# Altium PCB LPCB235R0.PcbDoc (part 6 of 7) (continued)
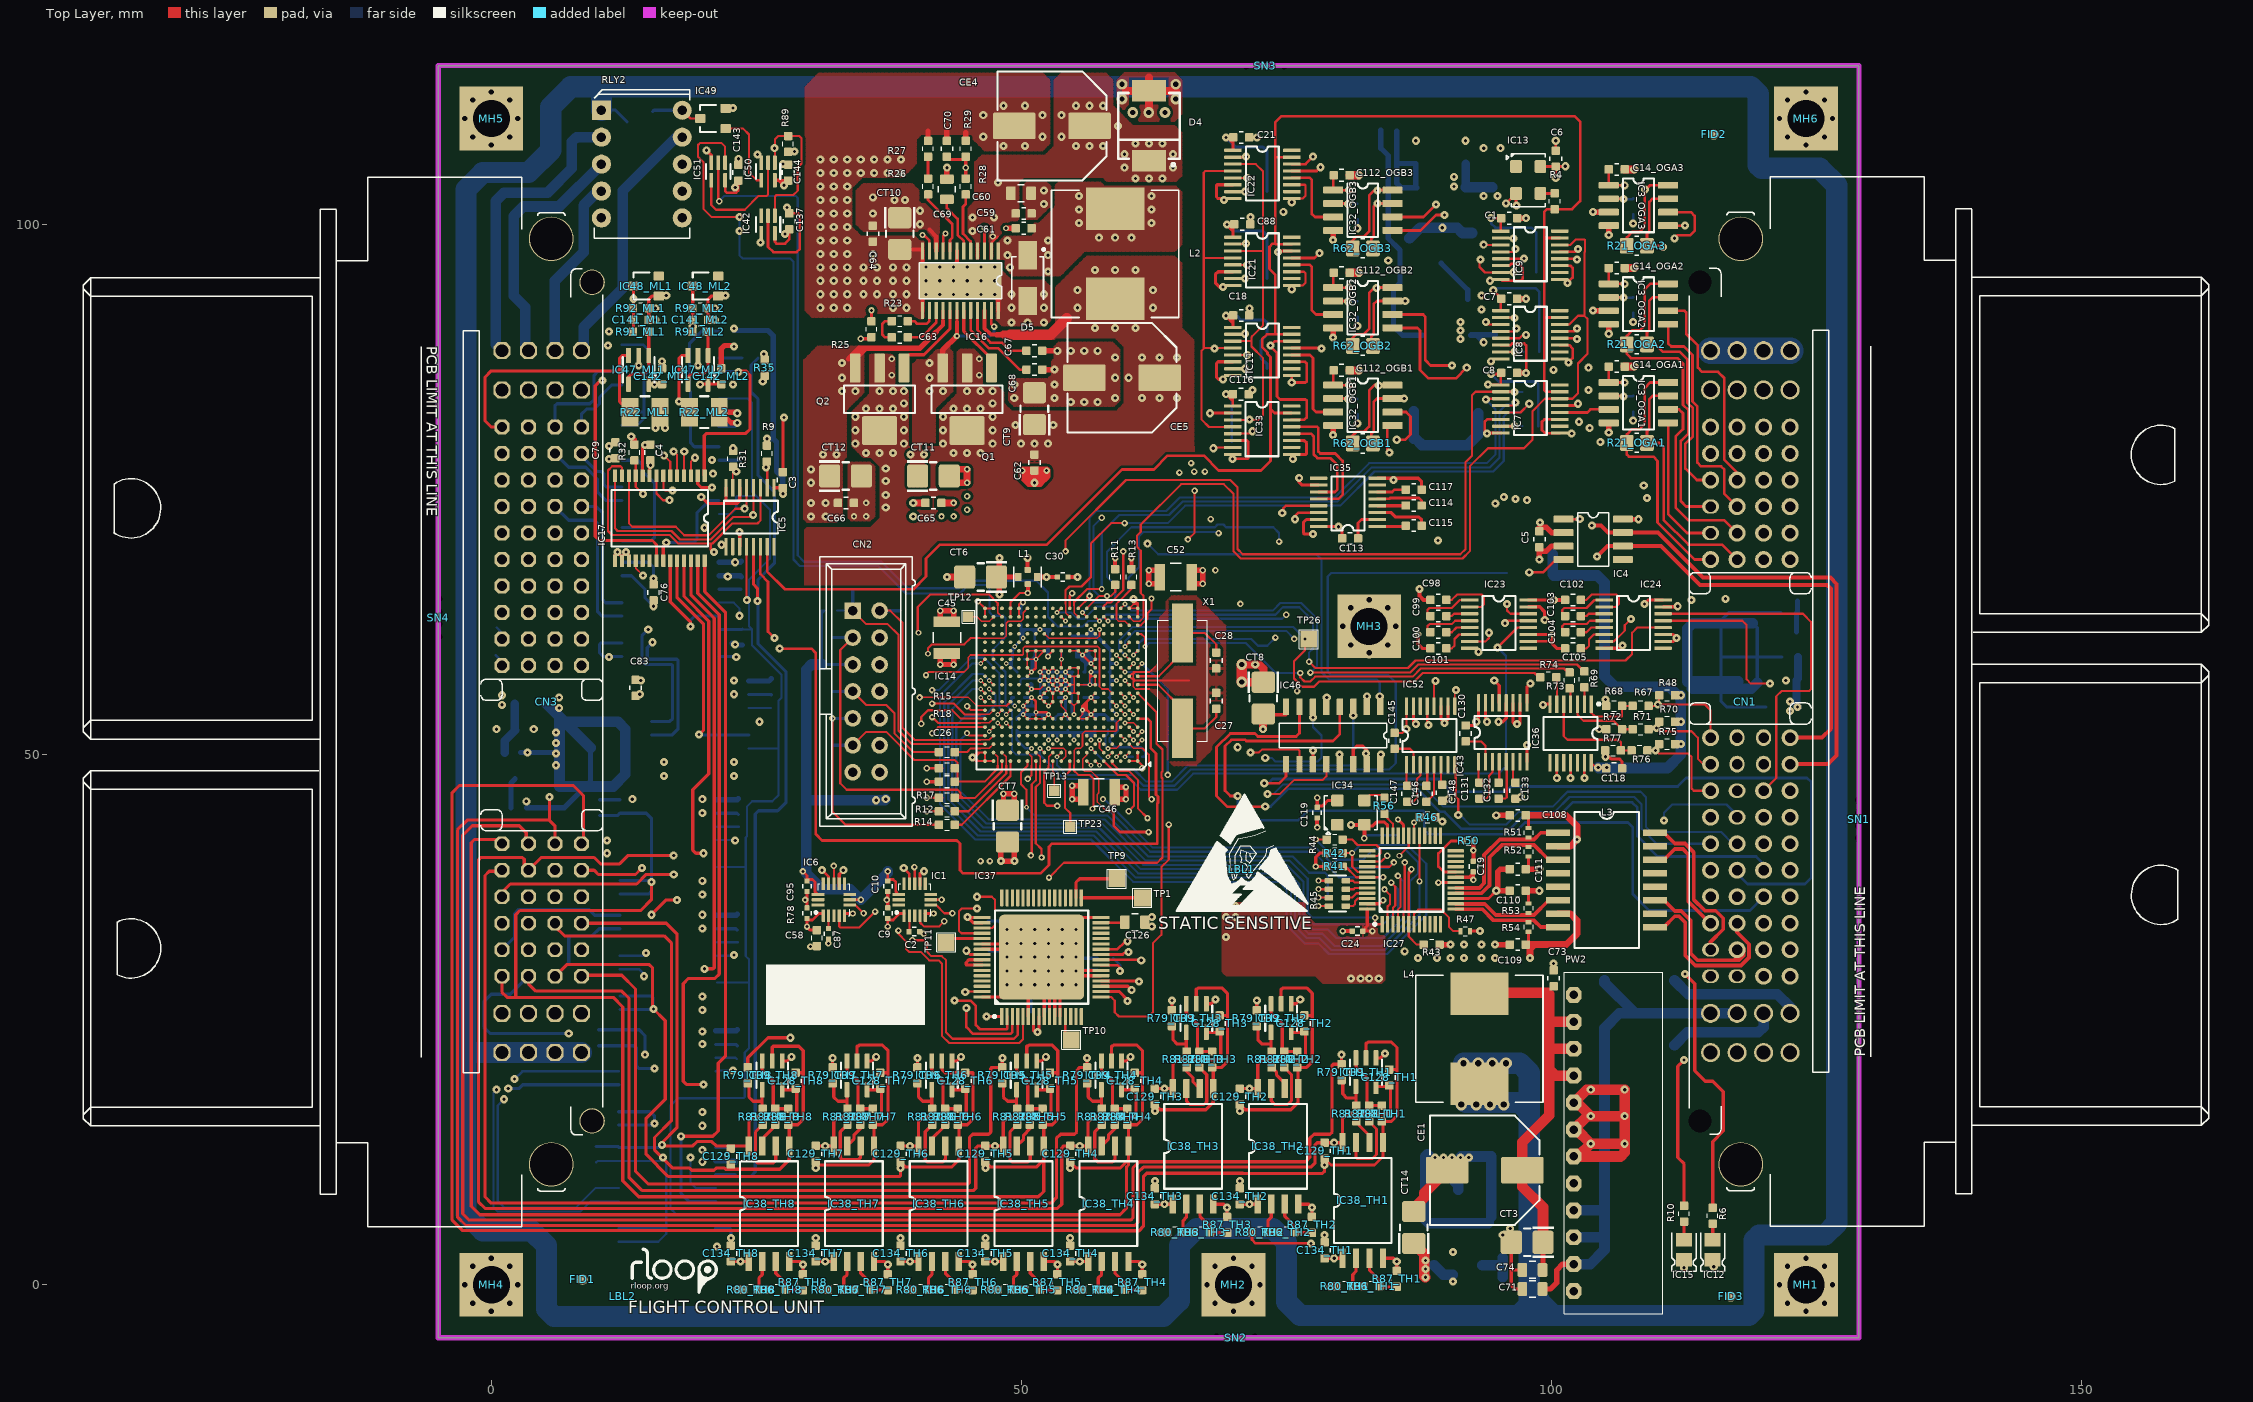
[diagram p0: Top Layer view]
## Nets (pads, with @x,y where several pads share a name; then routed paths per layer and width w, separated by ;. In a path a pad name is that pad's centre, name@x,y a point inside that pad or via, vN(x,y) a via of type N, cw(c..) or ccw(c..) an arc to the next point about the centre after c; other vN are vias at no path point) (continued)
  Bottom Layer w0.305: TP6.1@32.175,61.04 CN2.3@34.08,61.04
RM48_TDO: CN2.7 R15.2 TP7.1 | length 13.5
  Top Layer w0.203: CN2.7@34.08,55.96 35.35,54.69 37.255,54.69 38.017,53.928 38.017,52.023 39.795,50.245 R15.2@42.22,50.245
  Bottom Layer w0.305: TP7.1@32.175,55.96 CN2.7@34.08,55.96
RM48_TMS: CN2.1 IC14.C19 R16.1 TP8.1 | length 26.3
  Top Layer w0.203: CN2.1@34.08,63.58 35.35,62.31 37.382,62.31 38.398,61.294 38.398,52.277 39.68,50.995 45.637,50.995 IC14.C19@46.565,50.995
  Bottom Layer w0.203: R16.1@32.625,63.58 CN2.1@34.08,63.58
  Bottom Layer w0.305: CN2.1@34.08,63.58 TP8.1@34.08,65.485
RXD_N: IC27.13 L3.8 R54.1 | length 10.3
  Top Layer w0.356: IC27.13@90.979,35.411 93.483,35.411 94.525,34.37 98.342,34.37 98.977,33.735 L3.8@100.625,33.735
RXD_P: IC27.14 L3.6 R53.2 | length 10.7
  Top Layer w0.356: IC27.14@90.971,35.919 93.694,35.919 94.735,34.878 98.342,34.878 99.739,36.275 L3.6@100.625,36.275
SER_LASER_CLK: IC5.15 IC7.15 IC8.15 IC9.15 IC11.15 IC21.15 IC22.15 IC33.15 R4.2 | length 160.2
  Top Layer w0.25: IC5.15@26.025,69.625 26.025,67.275 27.7,65.6 39.8,65.6 41,66.8 41,68.5 42.3,69.8 52.4,69.8 59.5,76.9 62.5,76.9 63.8,78.2 67.2,78.2 68.6,76.8 72.6,76.8 73.5,77.7 73.5,82.6 ; IC33.15@75.475,82.225 73.875,82.225 73.5,82.6 ; IC11.15@75.5,89.65 73.95,89.65 ; IC21.15@75.5,98.15 74,98.15 73.95,98.2 ; IC22.15@75.5,106.35 74,106.35 73.95,106.4 ; IC7.15@100.775,84.225 99.475,84.225 99.3,84.4 99.3,91.3 ; IC8.15@100.775,91.225 99.375,91.225 99.3,91.3 ; IC9.15@100.775,98.725 99.325,98.725 99.3,98.7 ; 73.5,82.6 73.5,87.5 73.217,87.783 73.217,87.916 72.7,88.433 72.7,89.2 73.15,89.65 73.95,89.65 ; 73.95,89.65 73.95,95.25 73.4,95.8 73.4,97.9 73.7,98.2 73.95,98.2 ; 73.95,98.2 73.95,106.4 ; 73.95,106.4 73.95,109.65 74.5,110.2 102.2,110.2 102.7,109.7 102.7,102.2 101.95,101.45 R4.2@100.3,101.45 99.55,101.45 99.3,101.2 99.3,98.7 ; 99.3,91.3 99.3,98.7
SERA_MISO: IC7.4 IC8.4 IC9.4 IC14.V8 | length 77.8
  Top Layer w0.152: 54.965,64.088 54.965,63.395 IC14.V8@55.365,62.995
  Top Layer w0.203: 54.965,64.088 54.965,64.399 56.178,65.612 v6(57.575,65.612) ; IC7.4@95.225,82.925 96.325,82.925 v1(96.6,83.2) ; IC8.4@95.225,89.925 96.425,89.925 v1(96.7,90.2) ; IC9.4@95.225,97.425 96.325,97.425 v1(96.6,97.7)
  MidLayer2 w0.203: v1(96.6,83.2) 97.5,84.1 97.5,84.6 96.8,85.3 96.8,86.7 97.2,87.1 97.2,88.6 96.6,89.2 96.6,90.366 97.16,90.926 97.16,91.834 96.8,92.194 96.8,94.6 97.2,95 97.2,95.9 96.6,96.5 v1(96.6,97.7)
  Bottom Layer w0.203: v6(57.575,65.612) 57.575,70.946 59.226,72.597 63.925,72.597 65.195,73.867 79.8,73.867 83.033,77.1 94.2,77.1 95.1,78 95.1,82.4 95.7,83 v1@96.8,83
SERA_MOSI: IC7.3 IC8.3 IC9.3 IC14.W8 | length 78
  Top Layer w0.203: IC14.W8@55.365,63.795 56.432,64.862 v2(56.432,64.977) 56.178,64.977 56.178,64.61 ; v1(93.6,98.1) 93.625,98.075 IC9.3@95.225,98.075 ; v1(93.8,83.5) 93.875,83.575 IC7.3@95.225,83.575 ; v1(93.8,90.8) 94.025,90.575 IC8.3@95.225,90.575
  MidLayer2 w0.203: v1(93.6,98.1) 94.3,97.4 94.3,96 92.7,94.4 92.7,90.8 ; v1(93.8,83.5) 93.2,83.5 92.7,84 92.7,90.8 ; v1(93.8,90.8) 92.7,90.8
  Bottom Layer w0.203: v2(56.432,64.977) 56.432,72.343 57.067,72.978 63.671,72.978 64.941,74.248 79.546,74.248 82.798,77.5 93.9,77.5 94.7,78.3 94.7,82.6 v1(93.8,83.5)
SERA_NCS_0: IC7.2 IC14.V10 R1.1 | length 74.4
  Top Layer w0.152: IC14.V10@53.765,62.995 v3(54.165,62.595)
  Top Layer w0.203: v2@54.146,69.168 54.146,70.184 59.862,75.9 69.7,75.9 70.381,75.219 70.381,69.4 70.881,68.9 91.4,68.9 91.9,69.4 91.9,77.6 92.5,78.2 92.5,83.9 92.825,84.225 IC7.2@95.225,84.225 96.475,84.225 v1(96.5,84.2)
  MidLayer1 w0.203: v3(54.165,62.595) v2(54.165,69.168)
  Bottom Layer w0.203: v1(96.5,84.2) R1.1@97.25,84.2
SERA_NCS_1: IC8.2 IC14.W9 R7.1 | length 71.1
  Top Layer w0.203: IC14.W9@54.565,63.795 54.565,64.85 ; IC8.2@95.225,91.225 96.475,91.225 v1(96.5,91.2) ; 54.565,64.85 54.781,65.066 v2(54.781,65.231) 54.565,65.015 54.565,64.85
  MidLayer1 w0.203: v2(54.781,65.231) 56.422,63.59 62.665,63.59 63.1,64.025 63.1,70.375 67.608,74.883 88.017,74.883 88.3,74.6 95.2,74.6 v1(95.5,74.3)
  MidLayer2 w0.203: v1(95.5,74.3) 95.5,91 95.7,91.2 v1(96.5,91.2)
SERA_NCS_2: IC9.2 IC14.T12 R19.1 | length 78.9
  Top Layer w0.152: IC14.T12@52.165,61.395 52.565,60.995 57.165,60.995 57.365,61.195 v3(57.365,61.795)
  MidLayer1 w0.203: v3(57.365,61.795) 61.505,61.795 63.5,63.79 63.5,70.14 67.862,74.502 87.798,74.502 88.1,74.2 94.2,74.2 v1@94.8,73.6
  MidLayer2 w0.203: v1@94.8,73.7 94.8,75 95,75.2 95,92.8 95.4,93.2 95.4,98.4 95.6,98.6 96.3,98.6 v1(96.4,98.7)
  other v1: 94.7,73.7
SERA_NIRQ_0: IC7.7 IC14.C1 R2.1 | length 71.9
  Top Layer w0.152: IC14.C1@60.965,50.995 v3(61.365,51.395)
  Top Layer w0.203: IC7.7@95.225,80.975 96.475,80.975 v1(96.5,81)
  MidLayer1 w0.203: v3(61.365,51.395) 60.765,50.795 58.847,50.795 58.442,51.2 58.442,52.558 58,53 57.992,53 57.992,59.425 59.467,60.9 62.4,60.9 64.687,63.187 64.687,67.5 64.7,67.5 66.749,69.549 66.749,72.709 66.8,72.76 66.8,72.805 68.116,74.121 87.479,74.121 87.8,73.8 93.4,73.8 94.2,73 95.6,73 v1@96.7,74.1
  MidLayer2 w0.203: v1(96.5,81) 95.9,80.4 95.9,75.5 96.6,74.8 v1(96.6,74.1)
  Bottom Layer w0.203: v1(96.5,81) R2.1@97.25,81
SERA_NIRQ_1: IC8.7 IC14.E1 R8.1 | length 78.6
  Top Layer w0.152: v3(59.765,52.995) 60.565,52.995 IC14.E1@60.965,52.595
  Top Layer w0.203: IC8.7@95.225,87.975 96.475,87.975 v1(96.5,88)
  MidLayer1 w0.203: v3(59.765,52.995) 58.965,52.995 58.392,53.568 58.392,54.772 65.068,61.448 65.068,67.268 67.13,69.33 67.13,72.5 68.361,73.731 87.169,73.731 87.5,73.4 93.2,73.4 94,72.6 96.3,72.6 v1(97.7,74) ; v1(96.5,88) 99.6,88 100.2,87.4 v1(100.2,86.3)
  MidLayer2 w0.203: v1(97.7,74) 97.7,80.6 99.1,82 99.1,86 99.4,86.3 v1(100.2,86.3)
  Bottom Layer w0.203: v1(96.5,88) R8.1@97.35,88
SERA_NIRQ_2: IC9.7 IC14.A6 R20.1 | length 85.2
  Top Layer w0.152: IC14.A6@56.965,49.395 v3(57.365,48.995)
  Top Layer w0.203: v2(65.7,70.3) 66.338,70.938 v2(66.338,74.883) ; v1@93.2,96.7 93.2,96 93.725,95.475 IC9.7@95.225,95.475 95.25,95.5 v1(96.4,95.5)
  MidLayer1 w0.203: v3(57.365,48.995) 57.365,50.565 58,51.2 58,52.2 57.5,52.7 57.5,59.8 59.1,61.4 62.1,61.4 64.3,63.6 64.3,68.2 65.7,69.6 v2(65.7,70.3) ; v2(66.338,74.883) 66.719,75.264 82.764,75.264 83.1,75.6 83.1,83.5 82.9,83.7 82.9,93.4 82.8,93.5 82.8,96.1 83.3,96.6 v1(84.6,96.6)
  MidLayer2 w0.203: v1@84.7,96.5 85.1,96.1 87.4,96.1 88,96.7 v1(93.3,96.7)
SERA_NRST: IC7.14 IC8.14 IC9.14 IC14.V2 | length 92.8
  Top Layer w0.152: IC14.V2@60.165,62.995 60.565,62.595 61.162,62.595 61.512,62.945 61.512,63.199
  Top Layer w0.203: 61.258,71.1 61.258,71 ; 61.512,63.199 61.512,64.977 61.258,65.231 61.258,69.242 60.9,69.6 60.9,70.642 61.258,71 ; IC8.14@100.775,90.575 101.675,90.575 102.5,91.4 103.1,91.4 ; IC9.14@100.775,98.075 101.775,98.075 102.3,98.6 103.1,98.6 103.16,98.54 103.16,97.426 103.1,97.366 103.1,91.4 ; 61.258,71 61.258,71.708 65.068,75.518 69.082,75.518 70,74.6 70,69.2 70.7,68.5 91.6,68.5 92.3,69.2 92.3,77.2 94,78.9 97.4,78.9 98.2,79.7 98.2,82.4 99.375,83.575 IC7.14@100.775,83.575 101.975,83.575 102.5,84.1 102.5,86.9 103.4,87.8 103.4,91.1 103.1,91.4
SERA_SCK: IC7.5 IC8.5 IC9.5 IC14.V9 | length 80.5
  Top Layer w0.152: 54.165,64.215 54.165,63.395 IC14.V9@54.565,62.995
  Top Layer w0.203: 54.165,64.215 54.165,65.504 54.527,65.866 55.67,65.866 56.559,66.755 56.559,69.93 58.464,71.835 v2(59.734,71.835) ; IC7.5@95.225,82.275 97.075,82.275 v1(97.9,83.1) ; IC8.5@95.225,89.275 96.975,89.275 97.3,89.6 v1(97.6,89.6) ; IC9.5@95.225,96.775 97.375,96.775 v1(97.4,96.8)
  MidLayer2 w0.203: v1@97.4,96.7 97.9,96.2 97.9,95.8 98.5,95.2 98.5,91.5 97.8,90.8 97.8,88.9 98.4,88.3 98.4,84.7 97.9,84.2 v1(97.9,83.1)
  Bottom Layer w0.203: v2(59.734,71.835) 63.798,71.835 65.449,73.486 80.086,73.486 83.3,76.7 94.5,76.7 95.5,77.7 95.5,81.9 95.9,82.3 97.1,82.3 v1(97.9,83.1)
SERB_MISO: IC11.4 IC14.D2 IC21.4 IC22.4 IC33.4 TP38.1 | length 88.8
  Top Layer w0.152: IC14.D2@60.165,51.795 v3(60.565,51.395)
  Top Layer w0.203: 67.2,88.3 67.2,96.9 ; IC33.4@69.9,80.9 67.7,80.9 67,81.6 67,88.1 67.25,88.35 IC11.4@69.95,88.35 ; IC21.4@69.95,96.85 67.25,96.85 67.2,96.9 ; IC22.4@69.95,105.05 67.35,105.05 67.2,104.9 67.2,96.9
  MidLayer2 w0.203: v3(60.565,51.395) 61.08,50.88 64.78,50.88 65.6,51.7 65.6,54.1 67,55.5 72.1,55.5 73,56.4 73,61.4 73.7,62.1 73.7,87 72.34,88.36 68.26,88.36 v1(68.2,88.3)
SERB_MOSI: IC11.3 IC14.D1 IC21.3 IC22.3 IC33.3 TP37.1 | length 73.5
  Top Layer w0.152: IC14.D1@60.965,51.795 v3(61.365,52.195)
  Top Layer w0.203: IC33.3@69.925,81.575 72.375,81.575 72.8,82 ; IC11.3@69.95,89 71.7,89 ; IC21.3@69.95,97.5 72.8,97.5 ; IC22.3@69.95,105.7 72.1,105.7 72.8,105 72.8,97.5 ; 72.8,84 72.8,82 ; 71.7,89 71.7,89.366 71.76,89.426 71.76,89.46 72.8,90.5 72.8,97.5 ; 71.7,89 71.7,88.5 72.8,87.4 72.8,82
  MidLayer2 w0.2: v3(61.365,52.195) 61.365,52.265 62.5,53.4 63.5,53.4 73.3,63.2 73.3,75.6 72.7,76.2 72.7,81.4 72.5,81.6 v1(71.5,81.6)
SERB_NCS_0: IC11.2 IC14.E16 R40.1 | length 64.9
  Top Layer w0.152: v3(48.565,52.995) IC14.E16@48.965,52.595
  MidLayer1 w0.203: v2(67.3,76.7) 67.3,80.1 67,80.4 67,89.1 67.6,89.7 v1(71.1,89.7)
  MidLayer2 w0.203: v3(48.565,52.995) 47.974,52.404 47.542,52.404 45.51,54.436 45.51,57.103 47.923,59.516 51.733,59.516 51.911,59.338 51.911,58.983 52.19,58.703 52.825,58.703 53.257,59.135 53.257,59.77 56.94,63.453 66.846,63.453 69.64,66.247 69.64,74.46 67.4,76.7 v2(67.3,76.7)
SERB_NCS_1: IC14.E17 IC21.2 R58.1 | length 73.3
  Top Layer w0.152: v3(47.765,52.995) IC14.E17@48.165,52.595
  Top Layer w0.203: IC21.2@69.95,98.15 71.15,98.15 v1(71.2,98.2)
  MidLayer1 w0.203: v2(66,77.5) 66.3,77.8 66.3,79.3 66.1,79.5 66.1,97.4 66.9,98.2 v1(71.2,98.2)
  MidLayer2 w0.203: v3(47.765,52.995) 47.161,53.599 47.161,54.061 48.715,55.615 50.015,55.615 50.3,55.9 50.3,58.1 50.522,58.322 ; 51.6,58.322 50.522,58.322 ; v2(66,77.5) 67.5,77.5 70.2,74.8 70.2,66.172 66.338,62.31 59.099,62.31 56.94,60.151 56.94,59.77 55.492,58.322 50.522,58.322
SERB_NCS_2: IC14.U1 IC22.2 R60.1 | length 59.7
  Top Layer w0.203: IC14.U1@60.965,62.195 61.27,62.195 61.893,62.818 61.893,63.326 62.274,63.707 v6(62.274,64.723) ; IC22.2@69.95,106.35 71.15,106.35 v1(71.2,106.4)
  MidLayer1 w0.203: v6(62.274,64.723) 62.7,65.149 62.7,72.388 65.957,75.645 73.045,75.645 73.9,76.5 73.9,86.1 74.2,86.4 74.2,96.1 75.1,97 75.1,97.8 74.1,98.8 74.1,100.9 74.4,101.2 v1(74.7,101.2)
  MidLayer2 w0.203: v1@71.1,106.3 74.2,106.3 74.6,105.9 74.6,101.3 v1(74.7,101.2)
SERB_NCS_3: IC14.G17 IC33.2 R64.1 | length 51.4
  Top Layer w0.152: v3(47.765,53.795) IC14.G17@48.165,54.195
  Top Layer w0.254: v1(67.8,82.2) 67.825,82.225 IC33.2@69.925,82.225
  MidLayer2 w0.203: v3(47.765,53.795) 49.204,55.234 50.3,55.234 50.717,54.817 51.987,54.817 52.495,55.325 53.257,55.325 53.765,54.817 54.4,54.817 54.781,55.198 54.781,56.468 55.543,57.23 56.94,57.23 57.448,57.738 57.448,60.024 59.353,61.929 66.592,61.929 70.7,66.037 70.7,75 67.2,78.5 67.2,81.6 v1(67.8,82.2)
SERB_NIRQ_0: IC11.7 IC14.K2 R55.1 | length 39.7
  Top Layer w0.152: v3(59.765,56.995) IC14.K2@60.165,56.595
  MidLayer2 w0.203: v3@59.765,57.077 v3(59.765,56.995) 65.395,56.995 72.2,63.8 72.2,75.1 70.7,76.6 70.7,78.9 70.2,79.4 70.2,85.5 v1(71.1,86.4)
SERB_NIRQ_1: IC14.W10 IC21.7 R59.1 | length 51.5
  Top Layer w0.152: v3(53.365,63.395) IC14.W10@53.765,63.795
  MidLayer1 w0.203: v2@66.45,76.65 66.45,76.95 66.884,77.384 66.884,79.816 66.5,80.2 66.5,94.2 67.2,94.9 v1(71.1,94.9)
  MidLayer2 w0.203: v2@66.4,76.7 67.2,75.9 67.2,75.7 68.6,74.3 v2(68.6,70.9)
  Bottom Layer w0.203: v3(53.365,63.395) 54.712,63.395 55.289,62.818 55.924,62.818 57.067,63.961 58.718,63.961 60.115,65.358 60.115,66.715 61.1,67.7 61.1,70.6 61.5,71 68.5,71 v2(68.6,70.9)
  other v2: 66.3,76.7
SERB_NIRQ_2: IC14.J2 IC22.7 R61.1 | length 58.2
  Top Layer w0.152: IC14.J2@60.165,55.795 v3(60.565,55.395)
  MidLayer1 w0.203: v3(60.565,55.395) 65.449,60.279 65.449,67.049 67.862,69.462 v2(67.862,72.216) ; v2(64.9,76.6) 64.9,77.5 65.7,78.3 65.7,102.4 66.4,103.1 v1(71.1,103.1)
  MidLayer2 w0.254: v2(64.9,76.6) 65.5,76.6 67.862,74.238 v2(67.862,72.216)
SERB_NIRQ_3: IC14.M2 IC33.7 R65.1 | length 32
  Top Layer w0.152: IC14.M2@60.165,58.195 v3(60.565,58.595) ; v1(68.1,78.9) 68.175,78.975 IC33.7@69.925,78.975
  MidLayer2 w0.2: v3(60.565,58.595) 61.17,59.2 66.8,59.2 71.4,63.8 71.4,75 68.1,78.3 v1(68.1,78.9) v1@68.1,79
SERB_NRST: IC11.14 IC14.W5 IC21.14 IC22.14 IC33.14 | length 74.7
  Top Layer w0.203: IC14.W5@57.765,63.795 57.765,64.024 58.083,64.342 58.412,64.342 59.607,65.537 v2(59.607,69.168)
  Top Layer w0.25: v1(74.2,97.4) 74.3,97.5 IC21.14@75.5,97.5 ; IC33.14@75.475,81.575 76.675,81.575 76.9,81.8 76.9,83.4 76.8,83.5 74.4,83.5 74.1,83.8 74.1,87.9 73.5,88.5 v1(73.5,88.6) 73.9,89 IC11.14@75.5,89 ; IC22.14@75.5,105.7 76.8,105.7 v1(77.5,106.4)
  MidLayer1 w0.203: v2(59.607,69.168) 59.607,70.057 65.576,76.026 72.826,76.026 73.5,76.7 v1(73.5,88.6) 73.5,89.5 73.5,97.4 73.5,98.2 73.5,105.5 74.4,106.4 v1(77.5,106.4)
  MidLayer1 w0.25: 73.5,97.4 v1(74.2,97.4)
SERB_SCK: IC11.5 IC14.E2 IC21.5 IC22.5 IC33.5 TP36.1 | length 68.9
  Top Layer w0.152: IC14.E2@60.165,52.595 v3(60.565,52.195)
  Top Layer w0.203: IC33.5@69.925,80.275 71.575,80.275 v1(71.8,80.5) ; IC11.5@69.95,87.7 v1(71.3,87.7) ; IC21.5@69.95,96.2 v1(71.3,96.2) ; IC22.5@69.95,104.4 v1(71.3,104.4)
  MidLayer1 w0.203: v1(71.3,87.7) 72.6,87.7 ; v1(71.3,96.2) 72.5,96.2 72.6,96.1 ; v1(71.3,104.4) 72.2,104.4 72.6,104 72.6,96.1 ; v1(71.8,80.5) 72.6,81.3 72.6,87.7 ; 72.6,87.7 72.6,96.1
  MidLayer2 w0.203: v3(60.565,52.195) 62.27,53.9 63.2,53.9 72.8,63.5 72.8,75.4 71.8,76.4 v1(71.8,80.5)
TXD_N: IC27.16 L3.3 R52.1 | length 13.7
  Top Layer w0.356: IC27.16@90.96,36.922 93.408,36.922 93.85,37.364 94.151,37.665 94.151,40.314 95.319,41.482 98.342,41.482 99.739,40.085 L3.3@100.625,40.085
TXD_P: IC27.17 L3.1 R51.2 | length 13.4
  Top Layer w0.356: IC27.17@90.96,37.43 93.198,37.43 93.643,37.875 93.643,40.524 95.119,42 98.352,42 98.977,42.625 L3.1@100.625,42.625
WDT_GOOD: IC42.1 IC46.1 IC50.1 R89.1 TP47.1 | length 123.2
  Top Layer w0.203: IC42.1@26.75,100.825 26.75,102.65 26.9,102.8 28.5,102.8 28.9,103.2 28.9,105.4 29.26,105.76 29.26,108.14 29.05,108.35 R89.1@28,108.35 27.05,108.35 26.75,108.05 IC50.1@26.75,105.825
  MidLayer2 w0.203: v1(26.7,107.2) 26.7,106.4 26.4,106.1 26.4,102.8 26.7,102.5 28.8,102.5 29.3,102 29.3,72.1 32.319,69.081 44.719,69.081 46.4,67.4 48.7,67.4 49,67.7 49,69.3 49.6,69.9 v1(61.9,69.9)
  Bottom Layer w0.203: v1(61.9,69.9) 62.9,68.9 77.8,68.9 78.3,68.4 78.3,57.8 79,57.1 83.5,57.1 83.8,56.8 v1(83.8,55.5)
pads on no net: CN1.B CN2.6 CN2.13 CN2.14 CN3.1C_B CN3.1D_B CN3.1E_B CN3.2A_B CN3.2B_B CN3.2C_B CN3.2D_B CN3.2E_B CN3.3C_B CN3.3D_B CN3.3E_B CN3.3F_B CN3.3L_B CN3.4L_B CN3.B D10.2 FID1.0 FID2.0 FID3.0 IC1.3 IC1.8 IC1.9 IC1.13 IC1.15 IC1.16 IC4.5 IC5.10 IC5.16 IC6.3 IC6.8 IC6.9 IC6.13 IC6.15 IC6.16 IC7.10 IC7.16 IC8.10 IC8.16 IC9.10 IC9.16 IC11.10 IC11.16 IC13.1 IC14.A3 IC14.A8 IC14.A12 IC14.A15 IC14.B8 IC14.B9 IC14.B15 IC14.B16 IC14.C7 IC14.C8 IC14.C9 IC14.C10 IC14.C11 IC14.C12 IC14.C13 IC14.C14 IC14.C15 IC14.C16 IC14.C17 IC14.D6 IC14.D7 IC14.D8 IC14.D9 IC14.D10 IC14.D11 IC14.D12 IC14.D13 IC14.D14 IC14.D15 IC14.D17 IC14.E3 IC14.E4 IC14.E5 IC14.E6 IC14.E7 IC14.E8 IC14.E9 IC14.E10 IC14.E11 IC14.E12 IC14.E13 IC14.E14 IC14.E15 IC14.F2 IC14.F4 IC14.F5 IC14.F15 IC14.F16 IC14.F17 IC14.G1 IC14.G4 IC14.G5 IC14.G15 IC14.H1 IC14.H2 IC14.H5 IC14.H15 IC14.H17 IC14.J5 IC14.J15 IC14.J16 IC14.J17 IC14.K3 IC14.K4 IC14.K5 IC14.K15 IC14.K16 IC14.L3 IC14.L4 IC14.L5 IC14.L15 IC14.L16 IC14.L17 IC14.L18 IC14.L19 IC14.M4 IC14.M5 IC14.M15 IC14.M16 IC14.M17 IC14.M18 IC14.M19 IC14.N1 IC14.N4 IC14.N5 IC14.N15 IC14.N16 IC14.N18 IC14.P2 IC14.P3 IC14.P4 IC14.P5 IC14.P15 IC14.P16 IC14.P17 IC14.P18 IC14.P19 IC14.R1 IC14.R3 IC14.R4 IC14.R5 IC14.R6 IC14.R7 IC14.R8 IC14.R9 IC14.R10 IC14.R11 IC14.R12 IC14.R13 IC14.R14 IC14.R15 IC14.R16 IC14.R17 IC14.R18 IC14.R19 IC14.T2 IC14.T3 IC14.T4 IC14.T5 IC14.T6 IC14.T7 IC14.T8 IC14.T9 IC14.T10 IC14.T11 IC14.T13 IC14.T14 IC14.T15 IC14.T16 IC14.T17 IC14.T18 IC14.T19 IC14.U3 IC14.U4 IC14.U5 IC14.U6 IC14.U7 IC14.U8 IC14.U9 IC14.U10 IC14.U11 IC14.U12 IC14.U13 IC14.U14 IC14.U15 IC14.U16 IC14.U17 IC14.U18 IC14.U19 IC14.V3 IC14.V4 IC14.V11 IC14.V12 IC14.V13 IC14.V14 IC14.W4 IC14.W6 IC14.W11 IC14.W12 IC14.W13 IC14.W17 IC17.19 IC17.20 IC18.11 IC18.14 IC21.10 IC21.16 IC22.10 IC22.16 IC23.9 IC24.9 IC25.11 IC25.14 IC26.11 IC26.14 IC27.8 IC27.9 IC27.10 IC27.11 IC27.12 IC27.21 IC27.22 IC27.23 IC27.24 IC27.25 IC27.26 IC27.27 IC27.28 IC27.33 IC27.36 IC27.37 IC28.11 IC28.14 IC29.11 IC29.14 IC30.11 IC30.14 IC31.11 IC31.14 IC33.10 IC33.16 IC34.1 IC35.7 IC35.9 IC36.8 IC36.10 IC36.12 IC37.14 IC37.15 IC37.16 IC37.27 IC37.28 IC37.29 IC37.30 IC37.35 IC37.36 IC37.37 IC37.38 IC37.39 IC37.40 IC37.41 IC37.42 IC37.43 IC37.44 IC37.45 IC37.46 IC37.47 IC37.48 IC37.59 IC37.60 IC37.61 IC37.62 IC40.11 IC40.14 IC42.3 IC43.7 IC43.14 IC48_ML1.2 IC48_ML2.2 IC52.7 IC52.14 L3.4 L3.5 L3.10 L3.12 L3.13 L3.15 PW2.1 PW2.12 RLY2.5 RLY2.6 SN1.0 SN2.0 SN3.0 SN4.0
copper on no net:
  other v4: 60.496,110.57 63.544,110.57

## Polygon pours and split planes (outlines as drawn)
P5V3 on Top Layer "Top Layer-No Net" (solid, remove dead copper, pour order 83): 35.35,78.439 35.361,78.439 36.62,77.169 36.62,72.343 35.731,71.454 29.762,71.454 29.508,71.2 29.508,63.707 29.889,63.326 41.065,63.326 42.081,64.342 42.081,67.263 42.97,68.152 53.003,68.152 53.384,68.533 53.384,71.2 58.591,76.407 65.068,76.407 66.338,77.677 66.338,79.074 35.35,79.074
D3V3_CPU on Top Layer "SW_Mode" (hatched 90Degree grid 0.127 track 0.203, remove dead copper, pour order 106): 39.795,86.821 40.176,87.202 41.065,87.202 42.011,88.148 42.575,88.148 43.026,88.599 43.224,88.599 43.224,88.218 43.478,87.964 43.478,84.281 41.827,82.63 41.827,78.439 41.192,77.804 41.192,75.264 41.065,75.137 39.287,75.137 39.16,75.264 39.16,78.312 39.795,78.947
DGND on Top Layer "SW_Mode" (hatched 90Degree grid 0.127 track 0.203, remove dead copper, pour order 111): 33.699,77.296 33.953,77.55 35.731,77.55 36.112,77.169 36.112,72.47 35.731,72.089 33.953,72.089 33.699,72.343
P5V3 on Top Layer "SW_Mode" (hatched 90Degree grid 0.127 track 0.203, remove dead copper, pour order 105): 53.257,90.631 53.257,94.06 56.178,96.981 64.433,96.981 65.068,96.346 65.068,90.25 66.211,89.107 66.211,78.82 65.195,77.804 49.066,77.804 48.812,78.058 43.351,78.058 42.335,79.074 42.335,82.376 43.986,84.027 43.986,87.964 44.24,88.218 45.51,88.218 46.272,87.456 46.272,84.916 46.526,84.662 47.796,84.662 48.304,84.154 48.304,83.138 49.066,82.376 58.972,82.376 59.734,83.138 59.734,88.472 58.845,89.361 53.257,89.361 53.105,89.209 52.495,89.209 52.495,89.869
P5V3 on Top Layer "SW_Mode" (hatched 90Degree grid 0.127 track 0.203, remove dead copper, pour order 103): 34.08,82.376 35.731,84.027 35.731,87.71 35.858,87.837 37.636,87.837 38.017,87.456 38.017,84.916 38.271,84.662 38.906,84.662 39.287,84.281 39.287,79.201 38.144,78.058 35.096,78.058 34.08,79.074
DGND on Top Layer "SW_Mode" (hatched 90Degree grid 0.127 track 0.203, remove dead copper, pour order 102): 40.303,96.346 48.177,96.346 48.177,95.711 49.193,94.695 52.114,94.695 52.749,94.06 52.749,91.012 52.241,90.504 48.177,90.504 47.669,91.012 47.669,92.79 47.415,93.044 40.303,93.044
NetC61_1 on Top Layer "SW_Mode" (hatched 90Degree grid 0.127 track 0.203, remove dead copper, pour order 100): 47.796,98.251 48.431,98.886 50.971,98.886 51.225,99.14 51.225,100.156 51.733,100.156 53.13,101.553 53.13,103.585 53.511,103.966 57.448,103.966 57.829,103.585 64.56,103.585 65.068,103.077 65.068,98.124 64.433,97.489 55.924,97.489 53.638,95.203 49.193,95.203 48.431,95.965 48.431,96.6 48.304,96.727 47.796,96.727
DGND on Top Layer "SW_Mode" (hatched 90Degree grid 0.127 track 0.203, remove dead copper, pour order 96): 48.812,85.17 49.066,85.424 52.495,85.424 52.876,85.805 52.876,87.075 53.13,87.329 53.13,88.472 53.511,88.853 58.591,88.853 59.226,88.218 59.226,83.392 58.718,82.884 49.32,82.884 48.812,83.392
DGND on Top Layer "SW_Mode" (hatched 90Degree grid 0.127 track 0.203, remove dead copper, pour order 92): 45.51,108.03 45.51,108.284 45.256,108.538 40.557,108.538 40.049,108.03 40.049,105.744 38.779,104.474 34.969,104.474 33.953,103.458 33.953,99.775 34.842,98.886 39.922,98.886 40.303,98.505 40.811,98.505 40.811,91.139 40.176,91.139 39.668,91.647 35.477,91.647 35.096,91.266 30.27,91.266 29.635,91.901 29.635,112.983 30.905,114.253 51.987,114.253 52.622,113.618 52.622,107.649 51.987,107.014 46.526,107.014
NetC59_1 on Top Layer "SW_Mode" (hatched 90Degree grid 0.127 track 0.203, remove dead copper, pour order 89): 45.637,96.727 45.637,98.505 45.002,99.14 45.002,101.553 45.637,102.188 45.637,105.871 46.272,106.506 52.241,106.506 53.13,107.395 53.13,113.618 53.765,114.253 57.956,114.253 58.591,113.618 58.591,111.205 60.496,109.3 64.433,109.3 65.068,108.665 65.068,104.601 64.56,104.093 58.083,104.093 57.702,104.474 50.209,104.474 49.701,103.966 49.701,100.537 49.574,100.41 48.939,100.41 48.177,99.648 48.177,99.267 47.288,98.378 47.288,96.727
DGND on Top Layer "SW_Mode" (hatched 90Degree grid 0.127 track 0.203, remove dead copper, pour order 85): 50.463,100.537 50.463,101.68 50.209,101.934 50.209,103.712 50.463,103.966 52.368,103.966 52.749,103.585 52.749,101.807 51.479,100.537
P5V on Top Layer "SW_Mode" (hatched 90Degree grid 0.127 track 0.203, remove dead copper, pour order 95): 35.096,99.394 34.461,100.029 34.461,103.204 35.096,103.839 39.668,103.839 40.303,103.204 40.303,102.188 40.557,101.934 41.065,101.934 42.208,100.791 42.208,97.743 41.827,97.743 41.827,98.505 40.938,99.394
P12V_HOT on Top Layer "NORMAL" (hatched 90Degree grid 0.127 track 0.254, remove dead copper, pour order 109): 59.099,113.618 59.734,114.253 59.861,114.253 64.433,114.253 65.068,113.618 65.068,110.443 64.433,109.808 60.75,109.808 59.099,111.459 59.099,113.618
D1V2_CPU on Top Layer "SW_Mode" (hatched 90Degree grid 0.127 track 0.203, remove dead copper, pour order 107): 29.508,87.202 30.778,88.472 34.842,88.472 34.842,88.091 35.096,87.837 35.096,84.154 33.445,82.503 33.445,78.058 33.064,77.677 33.064,72.47 32.556,71.962 29.762,71.962 29.508,72.216
RM48_KGND on Top Layer "Top Layer-No Net" (hatched 90Degree grid 0.127 track 0.152, remove dead copper, pour order 76): 62.147,56.087 63.163,55.071 63.163,51.261 63.671,50.753 63.671,49.61 64.306,48.975 66.465,48.975 69.259,51.769 69.259,62.183 66.465,64.977 64.179,64.977 63.671,64.469 63.671,63.58 63.036,62.945 63.036,62.437 62.909,62.31 62.909,58.627 62.147,57.865
D3V3_CPU on Top Layer "Keep-Out Layer-No Net" (solid, remove dead copper, pour order 34): 68.9,36.1 76.8,36.1 76.8,35 77.6,34.2 77.7,34.1 79.2,34.1 83.2,34.1 83.4,33.9 84.3,33 84.3,29.1 84.3,28.7 84,28.4 82.6,28.4 78.4,28.4 78.1,28.7 77.7,29.1 70.4,29.1 69.3,29.1 69.1,29.3 68.9,29.5 68.9,36.1
DGND on Bottom Layer "SW_Mode" (hatched 90Degree grid 0.127 track 0.203, remove dead copper, pour order 121): 29.635,70.862 30.905,69.676 45.383,69.676 50.971,74.894 62.655,74.894 67.862,79.756 67.862,79.993 67.868,80.349 67.868,110.701 67.227,111.3 30.905,111.3 29.635,110.114
P5V3 on Bottom Layer "SW_Mode" (hatched 90Degree grid 0.127 track 0.203, remove dead copper, pour order 118): 34.08,79.074 34.08,82.376 35.731,84.027 35.731,87.329 36.112,87.71 37.763,87.71 38.017,87.456 38.017,85.551 40.049,83.519 43.478,83.519 43.986,84.027 43.986,87.329 44.367,87.71 46.018,87.71 46.272,87.456 46.272,85.551 48.304,83.519 48.304,78.566 47.796,78.058 43.351,78.058 42.335,79.074 39.16,79.074 38.144,78.058 35.096,78.058
DGND on Bottom Layer "Keep-Out Layer-No Net" (solid, remove dead copper, pour order 36): -5,115 129,115 128.9,114.9 128.9,-5 -5,-5
D1V2_CPU on MidLayer1 "SW_Mode" (hatched 90Degree grid 0.127 track 0.203, remove dead copper, pour order 127): 29.508,87.456 29.889,87.837 34.715,87.837 35.096,87.456 35.096,84.154 33.445,82.503 33.445,78.058 33.064,77.677 33.064,72.47 32.556,71.962 29.762,71.962 29.508,72.216
D1V2_CPU on MidLayer1 "Normal" (hatched 90Degree grid 0.127 track 0.203, remove dead copper, pour order 79): 33.064,72.47 33.953,71.581 52.495,71.581 53.765,70.311 53.765,62.564 56.686,59.643 56.686,51.769 55.797,50.88 55.797,47.578 54.019,45.8 53.003,45.8 51.606,44.403 48.685,44.403 47.415,45.673 47.415,52.023 46.653,52.785 46.653,54.436 47.415,55.198 47.415,56.722 47.034,57.103 30.905,57.103 29.508,58.5 29.508,72.216 29.762,71.962 32.556,71.962
P5V3 on MidLayer1 "SW_Mode" (hatched 90Degree grid 0.127 track 0.203, remove dead copper, pour order 126): 53.257,94.06 56.178,96.981 64.433,96.981 65.068,96.346 65.1,96.3 65.1,77.8 65,77.8 49.066,77.804 48.812,78.058 43.351,78.058 42.335,79.074 42.335,82.376 43.986,84.027 43.986,87.583 44.24,87.837 45.891,87.837 48.304,85.424 48.304,83.138 49.066,82.376 58.972,82.376 59.734,83.138 59.734,88.472 58.845,89.361 54.527,89.361 53.257,90.631
P5V3 on MidLayer1 "Top Layer-No Net" (solid, pour order 77): 34.334,79.328 38.3,79.328 38.3,71.9 34.3,71.9 34.3,79.294 34.334,79.328
D3V3_CPU on MidLayer1 "SW_Mode" (hatched 90Degree grid 0.127 track 0.203, remove dead copper, pour order 125): 39.795,86.821 40.811,87.837 43.224,87.837 43.478,87.583 43.478,84.281 41.827,82.63 41.827,78.185 41.446,77.804 41.446,72.597 40.938,72.089 39.4,72.1 39,72.5 39,78.1 39.795,78.947
DGND on MidLayer1 "SW_Mode" (hatched 90Degree grid 0.127 track 0.203, remove dead copper, pour order 134): 41.954,77.042 42.462,77.55 45.129,77.55 45.637,77.042 45.637,72.597 45.129,72.089 42.462,72.089 41.954,72.597 41.954,77.042
NetC61_1 on MidLayer1 "SW_Mode" (hatched 90Degree grid 0.127 track 0.203, remove dead copper, pour order 132): 47.796,98.251 49.701,100.156 51.733,100.156 53.13,101.553 53.13,103.585 53.511,103.966 57.448,103.966 57.829,103.585 64.56,103.585 65.068,103.077 65.068,98.124 64.433,97.489 55.924,97.489 53.638,95.203 49.193,95.203 48.431,95.965 48.431,96.6 48.304,96.727 47.796,96.727
NetC59_1 on MidLayer1 "SW_Mode" (hatched 90Degree grid 0.127 track 0.203, remove dead copper, pour order 131): 45.764,98.378 45.002,99.14 45.002,101.553 45.637,102.188 45.637,105.871 46.272,106.506 52.241,106.506 53.13,107.395 53.13,113.618 53.765,114.253 57.956,114.253 58.591,113.618 58.591,111.205 60.496,109.3 64.433,109.3 65.068,108.665 65.068,104.601 64.56,104.093 58.083,104.093 57.702,104.474 50.209,104.474 49.701,103.966 49.701,100.791 47.288,98.378
DGND on MidLayer1 "SW_Mode" (hatched 90Degree grid 0.127 track 0.203, remove dead copper, pour order 130): 50.463,100.537 50.209,100.791 50.209,103.712 50.463,103.966 52.368,103.966 52.749,103.585 52.749,101.807 51.479,100.537
DGND on MidLayer1 "SW_Mode" (hatched 90Degree grid 0.127 track 0.203, remove dead copper, pour order 129): 46.018,107.014 45.129,106.125 45.129,102.315 44.494,101.807 44.494,98.886 45.51,97.87 47.288,97.87 47.288,96.727 47.542,96.346 48.177,96.346 48.177,95.711 49.193,94.695 52.114,94.695 52.749,94.06 52.749,90.377 54.273,88.853 58.591,88.853 59.226,88.218 59.226,83.392 58.718,82.884 49.32,82.884 48.812,83.392 48.812,85.678 46.272,88.345 30.27,88.345 29.635,88.98 29.635,112.983 30.905,114.253 51.987,114.253 52.622,113.618 52.622,107.649 51.987,107.014
DGND on MidLayer1 "SW_Mode" (hatched 90Degree grid 0.127 track 0.203, remove dead copper, pour order 128): 48.812,85.678 46.145,88.345 49.955,88.345 49.955,88.853 58.591,88.853 59.226,88.218 59.226,83.392 58.718,82.884 49.32,82.884 48.812,83.392
P5V on MidLayer1 "SW_Mode" (hatched 90Degree grid 0.127 track 0.203, remove dead copper, pour order 94): 35.096,99.394 34.461,100.029 34.461,103.204 35.096,103.839 39.668,103.839 40.303,103.204 40.303,102.188 40.557,101.934 41.065,101.934 42.208,100.791 42.208,98.886 42.081,98.759 41.573,98.759 40.938,99.394
P5V3 on MidLayer1 "SW_Mode" (hatched 90Degree grid 0.127 track 0.203, remove dead copper, pour order 124): 34.08,82.376 35.731,84.027 35.731,87.71 35.858,87.837 38.906,87.837 39.287,87.456 39.287,79.201 38.144,78.058 35.096,78.058 34.08,79.074